# KiCad board lagom.kicad_pcb (continued)
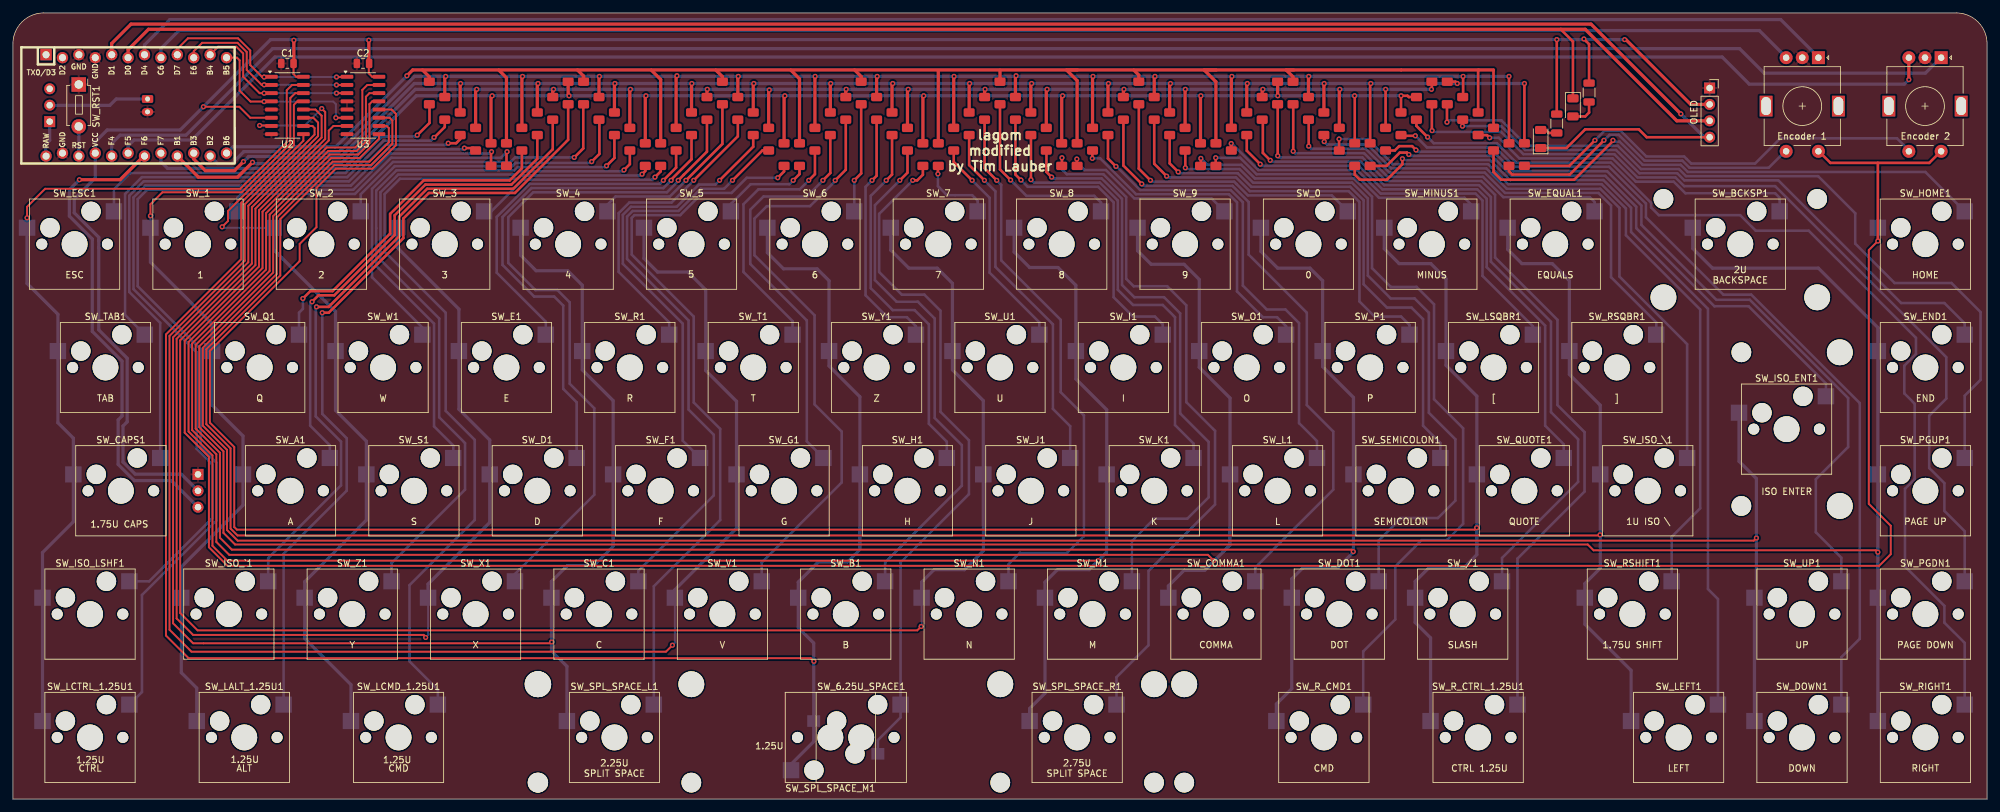
[diagram p0: board, top side]
## Routing (per net, layer and track width the routed paths; a pad name or vN(x,y) marks a point on that pad's centre or on a via; arc(x,y) is an arc through that point) (continued)
Net-(D75-A): length 4.4
  Top w0.4: R2.2 243.99,106.33 243.39,105.73 D75.2
Net-(D76-A): length 2.7
  Top w0.4: D76.2 237.29,103.63 237.75,103.17 R1.2

## Copper pours and planes (outline as drawn; the poured copper is in the pictures)
GND on Top, Bottom: 306.98,122.58 306.98,-0.93 -1.02,-0.93 -1.02,122.58

## Text on the board
B.Silkscreen: LED | STHLM KB lagom v1 / design by mohoyt
F.Silkscreen: ESC | CTRL | 1.25U | TAB | 1.75U CAPS | 1 | ALT | Q | A | 2 | Y | W | CMD | S | 3 | X | E | D | 4 | C | 2.25U / SPLIT SPACE | R | F | 5 | V | T | G | 6 | B | Z | H | 7 | N | U | J | 8 | 2.75U / SPLIT SPACE | M | I | K | 9 | COMMA | O | L | 0 | DOT | P | SEMICOLON | MINUS | SLASH | [ | QUOTE | EQUALS | ] | 1.75U SHIFT | 1U ISO \ | LEFT | 2U / BACKSPACE | ISO ENTER | Encoder 1 | UP | DOWN | Encoder 2 | HOME | END | PAGE UP | PAGE DOWN | RIGHT | OLED | lagom / modified / by Tim Lauber
